# Altium PCB NORA-B1-EVK.PcbDoc (part 3 of 6)
Units mil, origin at the board's own origin, x right, y up, seen from the top; angles counter-clockwise.
Board outline 4300 x 2200 mil, 4 copper layers (L1, L2, L3, L4), stack 61.418 mil thick; 362 components, 204 nets, 1273 pads, 1409 vias.
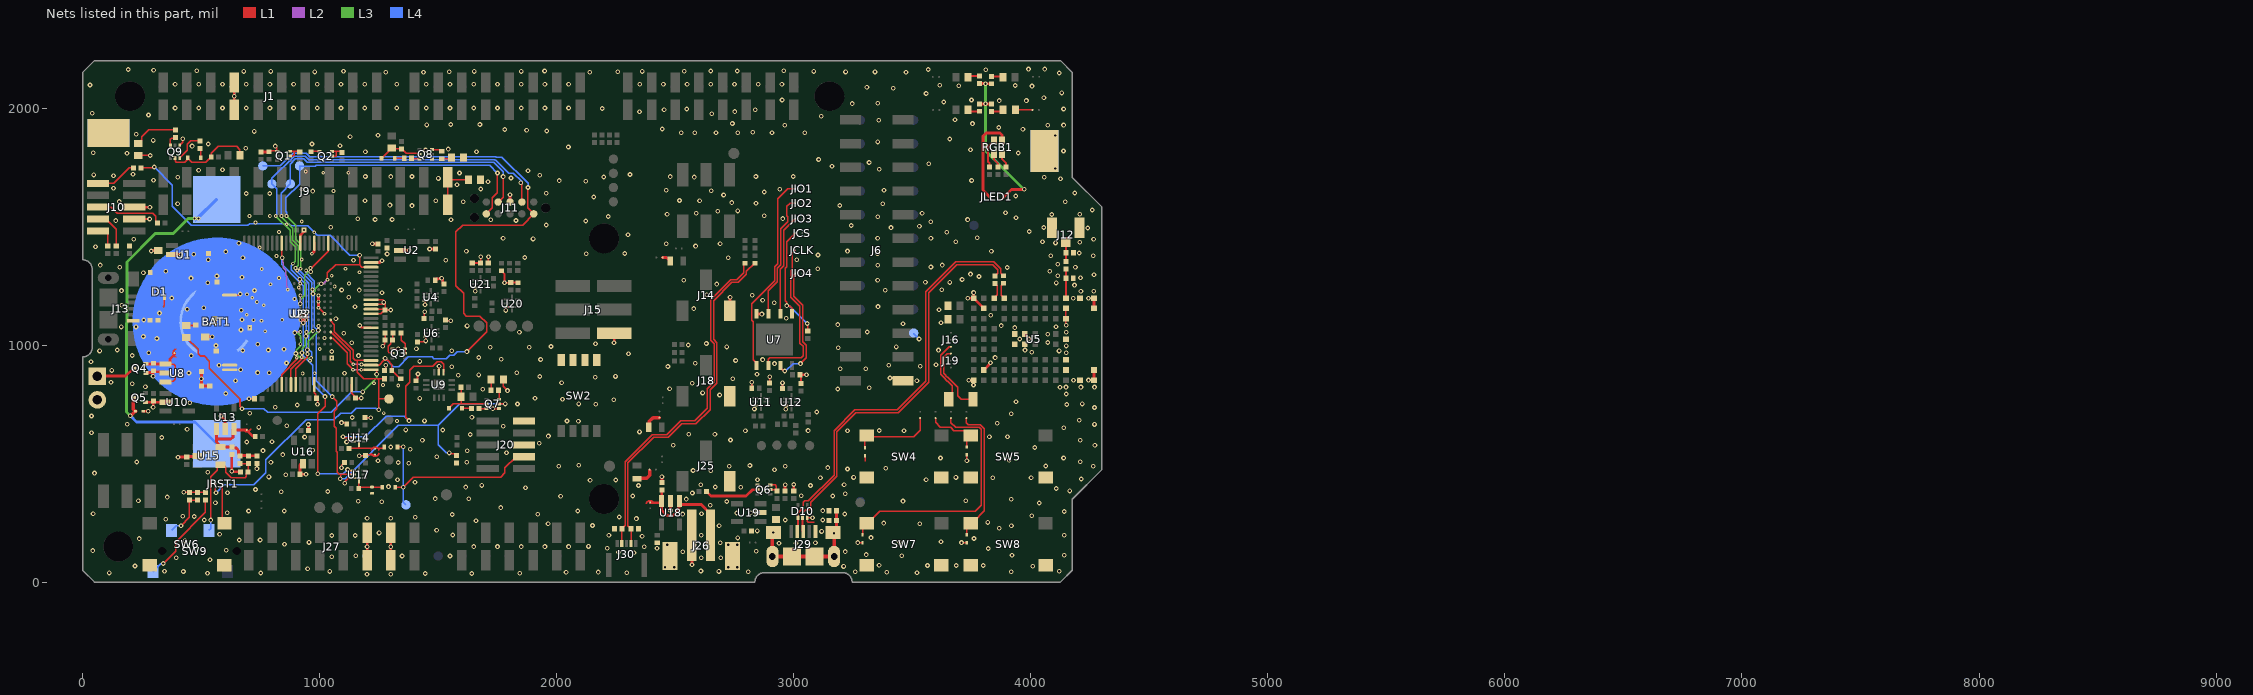
[diagram p5: the nets of this part, all layers, seen from the top]

## Via types
v1: diameter 20, hole 10, L1 to L4, 1095 vias
v2: diameter 15.75, hole 7.87, L1 to L2, 114 vias
v3: diameter 20, hole 10, L1 to L4, tented both sides, 105 vias
v4: diameter 15.75, hole 7.87, L3 to L4, 48 vias
v5: diameter 20, hole 10, L2 to L3, 47 vias

## Nets (pads, with @x,y where several pads share a name; then routed paths per layer and width w, separated by ;. In a path a pad name is that pad's centre, name@x,y a point inside that pad or via, vN(x,y) a via of type N, cw(c..) or ccw(c..) an arc to the next point about the centre after c; other vN are vias at no path point) (continued)
GND: BAT1.2 C1.2 C2.2 C3.2 C4.2 C5.2 C6.2 C7.2 C8.2 C9.2 C10.2 C11.1 C12.2 C13.2 C14.2 C15.2 C16.2 C17.1 C18.1 C19.2 C20.2 C21.2 C22.2 C23.2 C24.2 C25.2 C26.2 C27.2 C28.2 C29.2 C30.1 C31.2 C32.1 C33.2 C34.2 C35.2 C36.1 C37.2 C38.2 C39.2 C40.2 C42.2 C43.1 C44.2 C45.2 C46.2 C47.2 C48.1 C49.2 C50.1 C51.2 C52.2 C56.2 C57.1 C58.2 C59.1 C60.2 C61.2 D1.3 D5.2 D7.2 D8.2 D10.3 D11.2 D12.2 J1.4 J6.24 J10.3 J10.5 J11.3 J12.2 J13.5 J14.1 J15.6 J17.2 J18.1 J20.5 J20.9 J25.1 J26.1 J26.MH1 J27.6 J27.7 J29.5 JBD2.1 JDB1.1 LED5.1 LED6.1 LED7.1 Q1.1 Q2.1 Q3.1 Q4.1 Q5.1 Q6.1 Q7.1 Q8.1 Q9.1 R5.1 R6.1 R10.1 R19.2 R30.2 R35.2 R37.1 R39.1 R40.2 R43.1 R47.1 R52.1 R54.1 R55.1 R56.1 R57.1 R61.2 R62.2 R81.1 R82.1 SW2.1 SW2.2 SW2.3 SW2.4 SW4.3 SW4.4 SW5.3 SW5.4 SW6.3 SW6.4 SW7.3 SW7.4 SW8.3 SW8.4 TP1.1 TP2.1 TP52.1 TP58.1 TP59.1 TP76.1 TP83.1 U1.2 U2.2 U3.9 U3.24 U3.25 U3.41 U3.49 U3.60 U3.63 U3.64 U3.65 U3.66 U3.74 U3.85 U3.88 U4.4 U5.A1 U5.A9 U5.B2 U5.B8 U5.E4 U5.E5 U5.F4 U5.F5 U5.K2 U5.K3 U5.K5 U5.K7 U5.K8 U5.L1 U5.L9 U5.M1 U5.M2 U5.M8 U5.M9 U6.4 U7.4 U8.2 U9.2 U10.2 U11.4 U12.4 U13.2 U14.4 U15.2 U16.2 U17.4 U18.2 U19.2 U20.4 U21.4 U22.A6 U22.C9 U22.D9 U22.E9 U22.F6 U22.F7 U22.F10 U22.G3 U22.G6 U22.G7 U22.K10 U22.L6 | length 6277.4
  L1 w5.91: v3(426.41,379.1) 510.64,379.1 511.24,378.5 R57.1@511.99,379.25 ; v2(841.7,1106.5) U22.G3@841.54,1106.5 U22.G3@842.8,1105.24 ; C1.2@934.06,1485.79 934.16,1485.69 v2(934.16,1485.37)
  L1 w6: LED7.1@235.24,1800.2 285.2,1800.2 v1(285.5,1799.9) ; 339.81,1160.43 344.93,1165.56 D1.3@344.93,1199.43 ; Q9.1@409.84,1842.52 422.63,1855.31 v3(422.63,1870.08) ; U3.9@620.08,1210.84 660.43,1210.84 v1(664.99,1215.4) ; v1(701.75,773.62) C33.2@725.6,773.62 ; v1(735.24,479) R52.1@735.24,501.19 ; R5.1@788.75,1812.99 794.75,1818.99 819.88,1818.99 819.88,1831.73 v1(812.01,1839.6) ; R6.1@972.62,1817.02 Q2.1@998.71,1817.02 ; U3.41@977.36,833.87 977.36,798.83 983.27,792.93 983.27,783.17 990.89,775.55 v1(990.89,750.08) ; v2(995.08,1157.68) v2(1020.67,1132.09) ; v1(1091.83,673.18) 1108.54,673.18 C38.2@1113.91,667.81 ; v1(1092.25,482.56) 1092.25,493.32 C42.2@1104.06,505.13 ; v1(1105.64,416.75) 1105.64,423.44 1121.44,439.25 U17.4@1141.38,439.25 ; v1(1113.53,591.09) 1116.69,594.25 U14.4@1141.38,594.25 ; v1(1167.36,533.28) 1193.06,533.28 C43.1@1193.44,533.66 1197.91,538.13 1220.01,538.13 JDB1.1@1233.91,538.13 ; C36.1@1191.04,694.42 1214.78,694.42 v1(1215.42,693.77) ; U3.63@1216.54,1132.1 1257.87,1132.1 1266.38,1140.61 1268.54,1140.61 C14.2@1275.78,1147.85 ; U3.64@1216.54,1151.78 1271.84,1151.78 C14.2@1275.78,1147.85 ; U3.65@1216.54,1171.47 1275.78,1171.47 ; U3.66@1216.54,1191.15 1265.37,1191.15 1275.78,1180.75 1275.78,1171.47 ; v1(1266.38,995.35) 1266.38,996.75 1274.96,1005.33 R39.1@1274.96,1021.73 1275.71,1022.48 R37.1@1275.71,1050.98 ; R43.1@1272.74,893.19 1278.71,899.16 v1(1278.71,915.37) ; Q3.1@1306.75,984.95 1306.93,984.77 1331.17,984.77 v1(1331.35,984.59) ; R40.2@1412.4,1013.78 1443.47,1013.78 v1(1447.41,1017.72) ; C16.2@1440.45,1112.41 1440.45,1137.51 v1(1443.25,1140.31) ; v1(1444.39,1170.28) 1444.88,1170.77 U4.4@1444.88,1187.01 ; U6.4@1447.41,1035.43 v1(1447.41,1017.72) ; v1@1450.67,1014.45 v1(1447.41,1017.72) ; C18.1@1530.51,1105.43 1533.35,1102.59 v1(1553.26,1102.59) ; LED5.1@1774.61,854.7 1774.61,825.79 v1(1792.32,808.07) ; v1@3077.43,271.66 D10.3@3056.69,271.66 3056.69,255.95 3060.67,251.97 3085.63,251.97 ; v1(3269.49,166.93) D11.2@3290,166.93 ; 3300.83,509.69 3300.83,535.15 3301.83,536.15 D7.2@3300.83,537.15 ; v1(3707.28,166.93) D12.2@3730,166.93 ; D8.2@3730,536.93 3730.31,536.61 v1(3730.31,512.11) v1@3730.31,511 ; U5.K8@4148.23,1154.92 U5.K7@4148.23,1111.61 4148.23,1085.14 v1(4149.46,1083.91) ; C14.2@1275.78,1147.85 1275.78,1171.47
  L1 w8: U3.49@1134.84,833.87 1134.84,797.43 1151.31,780.96 C35.2@1151.31,776.06 1153.03,774.34 1175,774.34 v1(1175,776.81) ; v1(1168.5,1082.49) 1168.5,1080.53 1175.26,1073.77 1215.81,1073.77 U3.60@1216.54,1073.04 ; C14.2@1275.78,1147.85 v1(1300.2,1147.85) ; C28.2@1405.86,849.62 1412.4,856.15 1412.4,874.55 1415.35,877.5 v1(1414.52,878.33) ; U9.2@1502.85,885.83 1503.24,886.22 1503.24,909.95 v1(1503.63,910.34) ; R30.2@1643.45,1346.44 C58.2@1678.97,1346.44 1679.35,1346.81 v1(1679.35,1372.6) ; U21.4@1655.35,1242.11 1656.38,1241.07 v1(1656.38,1226.93) ; C59.1@1711.26,1346.44 1711.26,1368.07 1712.14,1368.95 v1(1712.14,1372.79) ; v3(1730.48,732.09) 1730.6,732.21 Q7.1@1757.05,732.21 ; R19.2@1766.73,1313.68 1779.53,1300.89 1779.53,1269.99 1783.03,1266.49 v1@1783.03,1262.86 ; v1(1779.53,1263.57) 1779.53,1263.31 1781.5,1261.33 v1@1783.03,1262.86 ; v1(1785,1146.36) 1785,1157.44 U20.4@1788.19,1160.63 ; C56.2@1805.91,1262.86 v1@1783.03,1262.86 ; C56.2@1805.91,1263.94 1835.53,1263.94 C57.1@1836.61,1262.86 ; C29.2@2822.72,817.95 2822.91,818.14 2822.91,843.44 v1(2823.1,843.63) ; v1(2833.94,730.62) 2833.94,741.74 U11.4@2837.63,745.42 ; C30.1@2897.83,840.04 2898.61,840.82 v1(2898.61,866) ; C31.2@2951.82,816.34 2952.16,816.67 2952.16,840.07 v1(2952.49,840.4) ; v1(2965.87,729.02) 2966.25,729.41 U12.4@2966.25,744.09 ; C24.2@3026.21,875.06 3030.99,870.28 C32.1@3030.99,837.99 ; v1(3405.93,860.93) 3450.29,860.93 J6.24@3461.22,850 ; TP2.1@4057,1818 TP2.1@4066,1827
  L1 w10: J10.5@217.5,1582 J10.5@218.5,1582 v1(283.8,1582) ; J10.3@218.5,1532 v1(282.39,1532) ; D5.2@256.3,721.46 v1(277.25,721.46) ; Q5.1@265.35,758.86 292.25,758.86 297.64,764.25 C25.2@298.23,764.25 ; v1(297.31,738.19) 297.77,738.65 297.77,763.79 C25.2@298.23,764.25 ; U10.2@349,758.86 304.22,758.86 298.82,764.25 C25.2@298.23,764.25 ; J1.4@640,1992.32 v1(640,2050) J1.4@640,2107.68 ; J27.6@1200,92.32 v1(1200,149.84) 1200,150 J27.6@1200,207.68 ; J27.7@1300,92.32 v1(1300,149.84) J27.7@1300,207.68 ; v1@3734.96,1198.23 U5.A9@3758.46,1198.23 3758.58,1198.35 v1(3758.58,1221.54) ; v1(3737.7,852.1) v1(3737.7,852.1) 3758.18,852.06 U5.A1@3758.46,851.77 3758.36,851.67 v1(3758.38,831.42)
  L1 w12: Q4.1@267.31,882.1 269.18,883.97 289.88,883.97 297.64,891.73 C22.2@298.23,891.73 ; v1(289.73,1397.14) 291.18,1398.59 C2.2@319.25,1398.59 ; v1(297.31,869) 297.77,869.46 297.77,891.27 C22.2@298.23,891.73 ; U8.2@349,882.1 345.27,885.83 323.56,885.83 321.89,887.5 302.46,887.5 C22.2@298.23,891.73 ; U1.2@377.2,1382.1 v1(413.69,1382.1) ; v1(402.16,527.26) 438.55,527.26 C40.2@439.06,527.77 ; C40.2@442.16,526.93 445.04,529.81 484.86,529.81 U15.2@487.74,532.69 ; C23.2@500.98,888.18 v1(500.98,857.82) C27.2@500.98,827.76 C26.2@536.01,827.76 ; C20.2@517.53,1033.67 519.5,1035.64 v1(547.14,1035.64) ; v1(558.07,1090.31) 558.12,1090.36 C13.2@558.12,1112.49 ; v1(583.69,700.82) 601.1,683.41 601.1,647.24 U13.2@601.8,646.54 ; C39.2@629.36,538.74 628.76,538.13 628.76,464.93 628.97,465.14 v1(628.97,467.54) 630.5,466.01 664.65,466.01 R54.1@666.34,464.32 ; R81.1@752.91,1815.21 785.98,1815.21 R5.1@786.42,1815.65 ; U3.88@918.31,1430.33 918.21,1430.42 918.21,1462.73 929.8,1474.32 930.18,1474.32 934.06,1478.19 C1.2@934.06,1485.05 ; U16.2@919.69,497.61 916.89,494.81 C44.2@916.89,455 v1(942.12,455) ; C37.2@952.44,639.92 v1(952.44,665) ; v2(967.06,1385.42) 977.36,1395.73 U3.85@977.36,1430.33 ; v2(995.08,1157.68) v2(995.08,1183.27) v2(995.08,1208.86) ; U3.74@1216.54,1348.63 1216.63,1348.73 1253.43,1348.73 1260.95,1356.24 v1(1263.11,1356.24) ; v1(1222.44,1427.17) C3.2@1246.06,1427.17 ; U2.2@1339.57,1399.5 1376.99,1399.5 v1(1378.08,1400.59) ; v1(1463.58,1405.51) C6.2@1488.14,1405.51 ; C8.2@1487.2,1273.46 1487.2,1274.05 1491.44,1278.29 1498.11,1278.29 1499.8,1279.98 1512.79,1279.98 v1@1513.36,1280.56 ; v1(1514.32,1281.51) v1@1513.36,1280.56 ; C11.1@1524,1257.66 1523.41,1257.66 1519.17,1261.9 1519.17,1274.49 1513.36,1280.29 v1@1513.36,1280.56 ; J11.3@1803,1603.58 v1(1803,1633.86) ; v1(2241.81,1009.92) 2242.4,1010.51 J15.6@2242.4,1050 ; C45.2@2443.62,420.28 v1(2443.62,445.14) ; v1(2480,302.42) U18.2@2480,341.55 ; J14.1@2730,1145.04 2731.32,1146.36 v1(2731.32,1201.39) ; U7.4@2841.88,1130.79 U7.4@2843.31,1132.21 2844.71,1130.81 v1(2865.49,1130.81) ; R61.2@2963.5,384.98 v1(2963.5,411.1) ; C46.2@3000,384.98 v1(3000,411.69) ; C24.2@3026.21,875.06 v1(3053.61,875.06) ; U5.A9@3758.58,1198.35 3758.58,1198.11 U5.B8@3801.77,1154.92 ; U5.B2@3801.77,895.08 v1@3830.91,924.21 ; v2(918.31,1106.5) v2(943.9,1106.5) v2(943.9,1132.09) U22.F6@918.31,1132.09 v2(918.31,1132) v2(918.31,1106.5)
  L1 w14: v1(2570.63,73.63) J26.1@2570.63,198.58 ; v1(3829.77,925.5) 3829.77,925.34 v1@3830.91,924.21 ; U5.M1@4266.34,851.77 U5.M2@4266.34,895.08 ; U5.M8@4266.34,1154.92 U5.M9@4266.34,1198.23
  L2 w12: v5(916.06,1278.29) 916.06,1262.18 v2(918.19,1260.05) ; v2(918.31,1132) 918.4,1132 v5(931.1,1119.29) ; v2(943.9,1132.09) v5(931.1,1119.29) ; v5(931.1,1119.29) v2(943.9,1106.5) v5(931.1,1093.7) v2(918.31,1106.5) v5(931.1,1119.29)
  L4 w5.91: BAT1.2@612.16,1186.81 564.96,1139.62 BAT1.2@564.96,1115.37 ; BAT1.2@624.28,1174.69 BAT1.2@564.96,1115.37 ; BAT1.2@632.7,1166.92 632.38,1166.59 BAT1.2@572.39,1106.61 ; BAT1.2@658.57,1208.98 v1(664.99,1215.4) ; v1(672.24,1106.61) 660.26,1106.61 BAT1.2@572.39,1106.61 ; BAT1.2@564.96,1115.37 BAT1.2@564.96,1099.17 BAT1.2@572.39,1106.61
  L4 w6: v1(1091.83,673.18) v1@1097.88,673.18 ; TP76.1@3506,1051 3506,1048.25 v1(3528.67,1025.58)
  L4 w10: v1(640,2050) TP52.1@640,2090
  L4 w12: v1(3460.88,1089.69) v1@3461.94,1089.69
  L4 w100: BAT1.2@499.55,1169.11 ccw(c565,1099.53) 660.52,1099.53 ccw(c565,1099.53) 660.26,1106.61 ccw(c565,1099.53) 625.59,1173.38 625.59,1180.15 BAT1.2@656.49,1211.06
  L4 w196.85: BAT1.2@564.96,1099.17 564.96,1099.53 564.96,1106.61 564.96,1178.82 592.55,1206.41 v1(672.5,1286.36) 672.5,1265.94 BAT1.2@678.61,1259.82 ; 571.41,843.35 579.54,843.68 575.45,847.77 v1(575.45,915.34) ; BAT1.2@751.39,1101.7 805.16,1101.7 820.84,1102.64
  other v1: 3519.69,39.37 3391.73,41.34 3258.86,43.31 2808,44 3917.32,44.29 2684.06,45.28 2608.27,47.24 2456.55,62.99 2496.35,62.99 2723.43,62.99 2762,63 3210.23,66.42 537.07,94.55 394.69,103.44 2610,103.01 2691.65,103.01 1051.39,106.59 1347.57,110.03 1550,110.24 1152.38,111.72 3920.51,113.64 3305.93,116.14 2325.44,123.78 2260.45,125.68 2531.5,127.92 3217,129 2842.2,130 605.62,135.02 2422.72,143.5 1650,150 1750,150 1850,150 1950,150 2050,150 2133.98,150.73 2466.34,157.19 2723.43,157.38 2762,157.2 851.54,159.63 2937.65,164.48 3009.16,164.07 2690.34,165.66 3091.18,165.66 954.86,167.52 431.32,175 660.43,177.65 748.61,177.65 239.09,183.68 2763.53,186.6 1050.83,196.51 1149.92,196.85 2609.54,197.83 1561.02,198.82 577.76,201.77 1250.61,207.68 3117.29,213.98 2845.63,216.26 1493.11,218.5 3867.13,227.36 2685,238.4 2150.82,239.23 1963.58,246.06 3531.5,246.06 3379.92,249.02 3817.91,251.97 1659.29,258.54 512.9,262.18 2963.58,262 3122.05,262 350.82,265 3078.74,271.65 1402.64,273.37 471.27,276.79 422.14,278.1 4003.94,280.51 1559.06,285.43 1920.28,286.42 2530.84,287.17 3214.57,287.4 2610.77,288.59 2759.02,291.51 610.27,292.5 2818.98,293.23 700,300 850,300 2088.14,300.19 3122.05,301.9 1763.78,314.53 2647.75,324.07 4035.43,333.66 560.01,334.58 1261.27,339.37 2717.63,340.27 1163.04,341.47 3460.85,342.01 3725.49,343.27 235.24,343.5 2546.56,350.39 3917.84,350 1488,352.48 1628.94,351.81 356.45,358.8 2016.22,361.98 2320.28,363.51 3031.25,364.39 3164.37,363.51 3217.52,373.03 2572.41,375.83 611.34,377.45 837.6,381 1034.54,382.5 4164.37,384.84 729.43,390.93 1868.11,398.62 2776.81,400 1616.14,401 2668.31,401.57 1290.37,403 2344.84,407.48 3070.39,407.48 1684.06,408.05 2607.49,411.1 3212.31,411.1 1402.28,421.5 2140.65,429.97 2248.61,430.94 1328.49,432.14 2847.18,432.09 3558.07,432.09 4212.6,435.04 3112.2,440.44 3838.96,440.44 4001.09,440.44 3252.39,441.93 3684,441.96 785.87,443.97 857.33,453.28 527.94,463.29 2650,469.79 2575.28,470.74 2918.4,473.98 3226.38,477.36 3388.01,480.91 3143.7,483.27 2008.86,489.17 2727.46,489.17 2963.67,488.92 4263.78,489.17 4062.57,490.16 2814.9,492.02 2092.52,493.39 1375.59,501.3 794.29,505.48 1331.53,505 1620.04,505.47 228,507 4208.66,507.87 1245.9,512.51 3909.45,513.78 3618.92,523.84 4138.21,523.84 1493.31,528.99 844.63,538.13 1788.19,545.85 760.89,554.93 1621.98,554.65 970.22,556.43 1381.6,561.09 4016.72,568.1 1300.3,569.88 2490.98,577.46 4270.28,577.24 1925.93,585.75 691.93,591.09 798.61,592.38 4208.66,598.43 1433.35,598.56 2733.24,599.47 333.82,610 936.39,612.44 3825.15,612.89 3901.57,612.89 1964.76,616.2 1635.43,623.03 2556.54,623.47 2667.32,624.02 37.4,629.92 2349.41,633.86 3465,638.47 2796,638.66 3060.4,639.37 3226.38,639.12 3361.04,639.52 1363.09,642.11 1519.39,642.03 440.69,644.92 4138.97,651.8 743.15,652.7 1774.47,657.41 860.85,660.07 4268.7,665.35 188.58,666.31 3858,669.87 2091.46,679.24 1441.92,680.23 2043.46,679.74 4204.72,682.56 1137.87,694.61 1642.07,695.14 37.4,700.79 3917.84,710.29 705.23,712.39 3097.39,717.97 4268.7,736.73 812.74,737.79 905.68,747.31 4151.57,749.39 2164.37,750.79 1834.63,751.66 2092.52,751.99 4216.54,751.85 452.32,756.89 3937.38,760.83 2240.84,769.94 2024.29,771.8 1421.69,775 1908.28,776.06 2687.01,789.64 4149.06,793.88 603.9,795.71 2615.35,798.35 1688.34,813.98 3185.72,814.59 2476.14,815.6 3318.32,820.36 4123.03,821.85 4148.23,822.74 4211.22,822.74 4268.7,822.83 264.9,824.22 209.65,837.38 2571.43,838.58 2020.46,841.67 119.77,843.68 645.12,849.87 3519.33,850 4180.12,851.55 4243.11,852.33 2742.78,858 2162.27,863.87 1928.78,867.32 2248.15,867.82 1584.95,872.58 1670.48,874.27 2844.71,877.48 1104.85,880.7 448.22,882.27 786.96,883.18 1831.61,883.08 738.14,883.97 123.23,893.18 666.34,895.88 3196.5,900.08 3303.72,900.08 1556.76,908.49 2469.05,909.95 3533.58,910.4 3401.17,914.96 3599.76,917.42 2918.4,922.06 2583.88,923.8 859.86,924.74 1422.6,931.19 2754.56,934.78 1932.02,939.23 2868.34,938.97 1765.4,940.56 3849.19,947.24 1670.48,947.86 209.16,955.97 458,955.8 1163.53,955.84 2302.96,963.15 4149.06,967.28 279,968 4003.94,969.88 1050.6,972.77 4119.3,975.44 1557.09,976.01 675.12,977.12 783.62,979.14 3610.34,979 3975.59,979 849.49,982.5 1407.92,984.46 3187.64,988.36 1719.26,990.61 1883.78,990.61 2716.96,992.35 3431.79,992.44 1975.56,993.97 4149.06,996.48 562.59,998.03 2555.28,1000.43 738.75,1003.16 2163.29,1005.98 2631.46,1006.98 1135.13,1010.33 4071.39,1010.95 3953.74,1025.85 3992.13,1025.85 313.25,1028 256.23,1036.46 4071.39,1045.83 1101.39,1050.25 1842.49,1053.97 4149.06,1053.87 3309.6,1055.04 668.31,1063.97 3932.68,1073.82 4106.3,1077.76 1621.85,1081.04 3875.04,1082.34 3185.72,1086.61 3621.05,1094.33 1068.43,1110.71 2968.19,1112.81 3830.89,1126.07 669.49,1147.17 3612.81,1149.61 440.69,1150.72 2577.86,1153.95 510.64,1157.31 1149.13,1161.31 3355.02,1162.38 2917.19,1179.1 1270.12,1180.11 2868.32,1188.74 3733.88,1197.65 4179.13,1197.83 4243.11,1198.03 376.14,1198.73 1122.77,1202.36 2824.36,1210.33 2633.15,1212.92 1262.77,1221.08 4211.23,1227.18 4265.75,1227.36 725.02,1230.35 1092.46,1232.45 1167.36,1231.94 1338.89,1231.55 3385.43,1231.58 3624.11,1233.27 4184.13,1253.04 2675.33,1257.43 4107,1262.41 527.94,1263.34 3657.68,1264.49 3555.17,1264.72 2535.88,1274.05 3353.5,1273.69 3710.09,1276.98 456.97,1282.7 4209.65,1283.58 3781.5,1289.37 566.51,1291.24 4113.93,1292.32 4266.73,1296.26 3745.52,1299.53 256.25,1305 350.25,1311 4080,1311 3101.31,1322.41 3900.51,1327.42 4187.99,1328.35 3578.43,1329.47 3353.78,1336.46 74.23,1337.6 3626.56,1337.59 4113.93,1341.15 1142.81,1358.48 1532,1358.29 529.56,1359.8 3012.56,1360.18 2723.62,1368.11 676,1368.54 1865.46,1369.27 4084.17,1376.43 4263.78,1376.97 3102.23,1380.09 468.59,1383.77 1284.45,1384.53 2124.93,1385.04 3353.5,1384.91 2286.65,1386.24 4204.72,1388.78 603.83,1394.5 1618.84,1395.53 3833.79,1395.84 3226.38,1396.58 54,1415 2585.79,1417.7 2461.48,1427.42 2689.05,1427.02 659.27,1429.81 4104.17,1431.19 4206.69,1433.97 3682.83,1436.25 4049.21,1436.02 215.81,1446.17 4264.76,1446.85 1900.22,1448.02 1773.62,1450.88 3353.5,1450.88 3578.52,1450.96 3774.16,1452.45 2300.83,1465.16 3644.86,1476.28 3993.59,1479.33 4240.16,1494.09 3410.33,1495.67 4055,1496.14 1046.26,1496.85 3529.91,1501.73 3242.57,1504.7 1955.6,1506.49 3578.3,1519.92 2122.35,1523.37 139.28,1525.23 1828.21,1525.75 1554.17,1528.31 1722.06,1528.31 1233.78,1530.08 1305.35,1530.08 3733.32,1529.55 1160.64,1533.32 2953.6,1533.7 3937.38,1536.89 3353.69,1540.97 2217.38,1542.77 2875.92,1545.4 4088.58,1551.11 2465.55,1552.08 4206.69,1551.72 2588.18,1556.12 3541.35,1555.76 3893.23,1558.39 2679.42,1564.98 2763.86,1566.13 4258.86,1569.77 1389.58,1588.49 3194.21,1588.88 1296.26,1590.55 400.59,1596.46 3375.38,1596.59 2840.55,1598.88 2737.83,1601.1 1605.23,1605.01 4144.69,1604.58 1191.04,1608.67 1490,1609.25 2602.63,1608.81 2518.15,1610.24 2156.59,1624.68 3936.61,1628.9 2703.96,1633.26 689.96,1639.74 789.47,1639.74 1955.71,1640.97 4185.04,1641.73 2875.92,1645.78 970.5,1649.61 2651.41,1651.3 2462.1,1653.33 3380.43,1653.75 2940.89,1657.5 1679.35,1658.36 129.92,1661.13 1579.42,1676.03 1710.23,1689.5 2122.35,1691.61 2010.85,1693.96 3750.18,1694.56 298.82,1695.95 4125,1702 1500.85,1703.28 1807.23,1704.74 401.56,1707.68 4056.58,1707.65 2198.09,1709.06 2579.99,1708.64 1192.87,1711.43 1299.28,1710.83 1389.58,1711.43 2479,1710.83 2840.25,1711.3 2998.16,1711.01 129.92,1714.3 1928.24,1716.22 2309.06,1719.86 1590,1726 1878.94,1735.24 489.18,1737.57 590,1739.86 3361.04,1742.06 4103,1745 3161.43,1753.98 3569.35,1764.88 3317.72,1770.53 3104.76,1783.07 187,1809 3947,1810.49 45,1811 1192.87,1815.21 1661.28,1815.94 4137.8,1818.9 1446.82,1823.3 3745.47,1824.02 1542.1,1826.93 687.69,1830.64 2049.21,1835.63 461.74,1839.6 1085.63,1840.55 967.56,1848.43 3354.17,1857.25 3658.22,1869.61 1128.33,1879.25 4103,1884 1246.06,1885.31 2524.93,1895.6 2582.53,1895.6 2671.65,1896.3 2763.86,1896.3 2907.87,1895.6 3046.8,1895.6 2827.17,1898.04 1957.46,1903.01 1872.81,1906.32 1781.24,1909.63 3966.54,1910.43 3864.28,1918.11 4071.68,1927.5 4138.31,1928.16 1451.67,1928.94 1675.89,1930.34 1552.51,1930.82 3753.72,1934.47 3357.97,1949 3680.27,1951 3115.45,1965.71 4138.31,1996.16 2191.93,1998.03 390,2000 490,2000 590,2000 690,2000 790,2000 890,2000 990,2000 1090,2000 1190,2000 1325,2000 1450,2000 1550,2000 1650,2000 1750,2000 1850,2000 1950,2000 2050,2000 3247.05,2018.7 3354.17,2020.46 3632.53,2025.59 3866.42,2031.5 3981.33,2031.5 3749.61,2033.89 4055.12,2043.31 3558.07,2061.47 4130.91,2063.98 3419.92,2083.9 3308.44,2088.25 4004.92,2092.52 3695.87,2094.49 3934.59,2095.22 3615.5,2095.86 390,2100 490,2100 590,2100 690,2100 790,2100 890,2100 990,2100 1090,2100 1190,2100 1325,2100 1450,2100 1550,2100 1650,2100 1750,2100 1850,2100 1950,2100 2050,2100 2350,2100 2450,2100 2550,2100 2650,2100 2750,2100 2850,2100 2950,2100 4120.08,2147.64 3473.43,2151.57 3218.5,2152.56 3342.52,2152.56 3084.65,2154.53 3810.25,2161.14 3566.93,2162.4 3990.16,2164.37 4059.06,2164.37
  other v2: 1326.08,679.5 1270.12,712.98 1331.53,829.35 1266.96,831.33 1228.86,839.09 928.15,879.75 978.83,881.29 958.7,933.77 1050.6,945.58 1000,983.47 918.31,1004.11 1020.67,1029.7 769.81,1058.18 704.72,1073.31 754.98,1102.64 720.47,1105.24 692.44,1128.3 763.82,1168.05 734.92,1181.43 715.55,1199.51 692.98,1214.19 1062.99,1247.23 1123.67,1260.1 1050.54,1292.4 1168.31,1307.27 905.29,1315.08 1109.04,1321.9 924.11,1360.9 976.81,1475.59 828.12,1477.19 860.85,1509.9 729.26,1517.37 924.59,1521.44
  other v3: 1199.8,33.46 1300.2,33.46 1444.88,36.42 1641.73,36.42 1844.49,37.4 526.86,37.95 750.98,38.39 112,39 2295.28,39.83 2039.37,41.34 2175.2,42.32 345.27,45.44 425,45 1042.32,45.28 4120.08,46.26 949,56.34 4008,67 221,68 3564,70 3685,70 3799,70 3360,71 3456,111 4140.75,113.19 43,133 3820,142 2213,143 2368.9,149.81 3446,168 3621,170 3760,184 3326,188 2360,194 2220,198 4141.35,197.83 3918,238 2336,268 1200,270 1300,270 2264,275 44,288 4140.75,298.23 4107,395 50,460 35,930 71.58,975.59 146.25,979.12 163.4,1076.77 225.11,1076.77 257.25,1106 324.25,1135 164.71,1168.31 164.09,1230 156,1328 154,1606 47,1718 212.6,1720.47 529.53,1848.43 298.23,1863.5 226,1890 724.41,1901.57 2444.88,1911.42 2962.21,1927.79 2741,1935 278,1970.47 2653.54,1975.8 40,1978 2349,1984 2751,1985 2453,1993 2837,1993 2548,1996 2950.67,2033.89 31,2097 2139.76,2150.59 1278.54,2151.57 1437.99,2151.57 979.33,2152.56 1546.26,2153.54 2256.89,2153.54 679.13,2154.53 793.31,2154.53 1651.57,2154.53 1850.39,2154.53 2360.24,2154.53 1100.39,2155.51 1948.82,2156.5 2538.39,2155.51 2649.61,2156.5 2761.81,2156.5 481.3,2157.48 2957.68,2157.48 299.21,2159.45 191.93,2162.4